# KiCad board glasgow_revD0.kicad_pcb (continued)
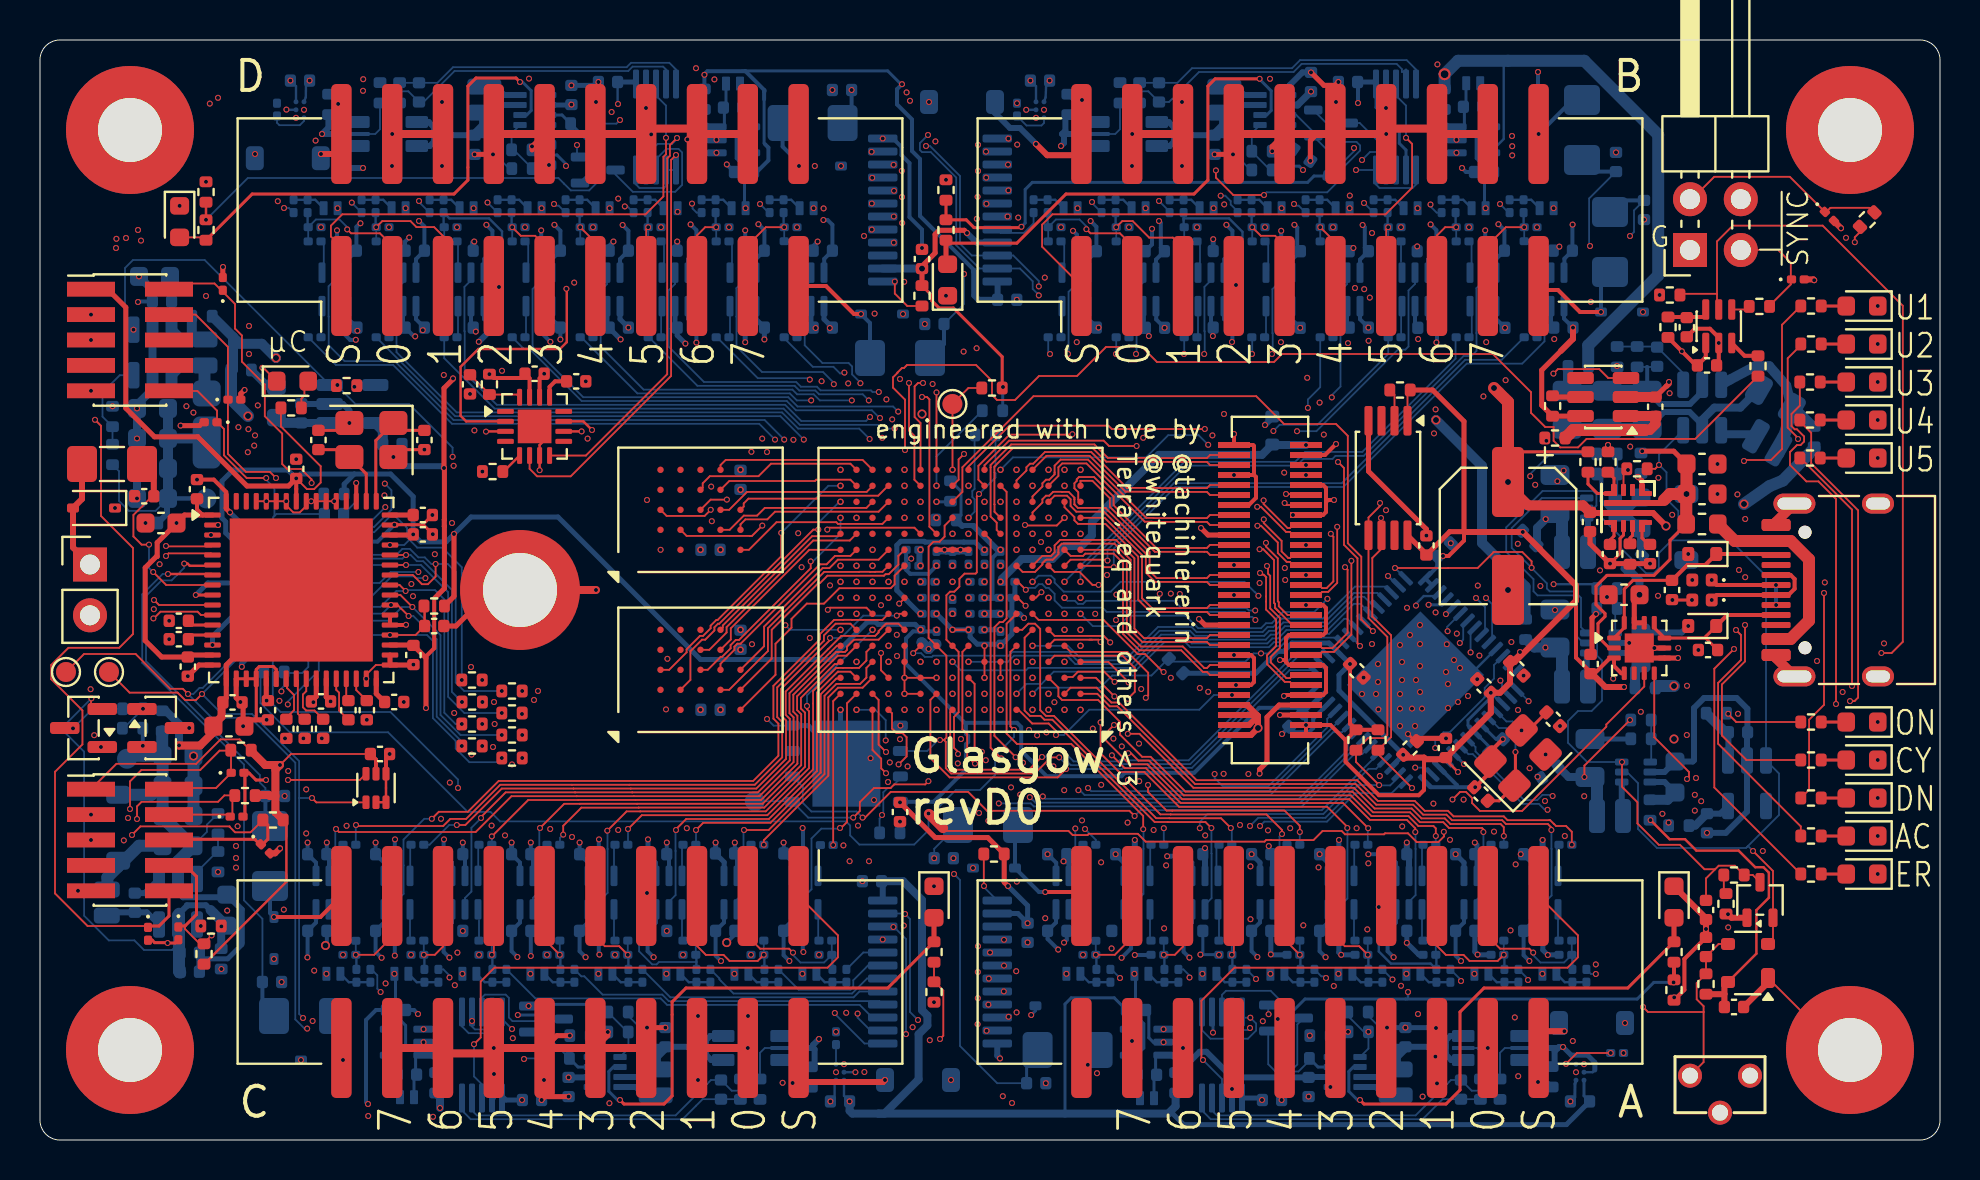
[diagram p0: board, top side]
## Library data of the parts (continued)
J2 J5 = -: Datasheet: http://infocenter.arm.com/help/topic/com.arm.doc.ddi0314h/DDI0314H_coresight_components_trm.pdf; Description: Cortex Debug Connector, standard ARM Cortex-M SWD and JTAG interface; KiLib_Generator: connector/pin_header_socket; LCSC: C2932107; MPN: FTSH-105-01-L-DV-K-P; ki_fp_filters: PinHeader?2x05?P1.27mm*
J3 = -: Description: Generic connector, single row, 01x02, script generated (kicad-library-utils/schlib/autogen/connector/); KiLib_Generator: connector/pin_header_socket; ki_fp_filters: Connector*:*_1x??_*
J4 = -: Description: Generic connector, double row, 02x02, odd/even pin numbering scheme (row 1 odd numbers, row 2 even numbers), script generated (kicad-library-utils/schlib/autogen/connector/); KiLib_Generator: connector/pin_header_socket; ki_fp_filters: Connector*:*_2x??_*
J6 = -: Datasheet: https://www.hirose.com/en/product/document?clcode=&productname=&series=DF12N&documenttype=Catalog&lang=en&documentid=ed_DF12N_20200819; Description: Generic connector, double row, 02x30, top/bottom pin numbering scheme (row 1: 1...pins_per_row, row2: pins_per_row+1 ... num_pins), script generated (kicad-library-utils/schlib/autogen/connector/); KiLib_Generator: connector/Hirose; LCSC: C3645041; MPN: DF12NC(5.0)-60DP-0.5V(51); ki_fp_filters: Connector*:*_2x??_*
J7-J10 = -: Description: Generic connector, double row, 02x10, odd/even pin numbering scheme (row 1 odd numbers, row 2 even numbers), script generated (kicad-library-utils/schlib/autogen/connector/); KiLib_Generator: connector/pin_header_socket; LCSC: C2829930; MPN: BH-00019; ki_fp_filters: Connector*:*_2x??_*
L1 L7-L10 = -: Datasheet: http://www.cjiang.com.cn/En_Pr_download_id_1134.html; Description: Inductor with ferrite core; KiLib_Generator: inductor/SMD; LCSC: C18724414; MPN: FTC201612S2R2MBCA; ki_fp_filters: Choke_* *Coil* Inductor_* L_*
L2-L4 = -: Description: Inductor with ferrite core; KiLib_Generator: inductor/SMD; LCSC: C18724413; MPN: FTC201612S1R0MBCA; ki_fp_filters: Choke_* *Coil* Inductor_* L_*
L5 L6 = -: Description: Inductor with ferrite core; KiLib_Generator: inductor/SMD; MPN: FTC201212S100MBCA; LCSC: C53436344; ki_fp_filters: Choke_* *Coil* Inductor_* L_*
NT1 = -: Description: Net tie, 2 pins; ki_fp_filters: Net*Tie*
NT2-NT17 = -: Datasheet: https://jlc-prod-smt.oss-eu-central-1.aliyuncs.com/smtDataManualFile/8589927047016308736-C851623.pdf?response-content-disposition=attachment%3B%20filename%3DC851623.pdf%3B%20filename%2A%3DUTF-8%27%27C851623.pdf&x-oss-date=20260524T222115Z&x-oss-expires=1800&x-oss-security-token=CAISgAN1q6Ft5B2yfSjIr5rzGuj8u7FwxZWmN2fpnloTa9xgm5TBkTz2IHhMdHJsAOodtv0%2FmmhT6PkclqRLcbhpcmfjV%2BZHzLB8qZxruQFM4J7b16cNrbH4M4H6aXeirtuwDsz9SNTCALjPD3nPii50x5bjaDymRCbLGJaViJlhHLN1Ow6jdmhpCctxLAlvo9NgFxm3D%2Fu2NQPwiWf9FVdhvhEG6Vly8qOi2MaRmFy8yFTx0b0SvJ%2BjYMrmPctoN9JnSdC5mfdzau3a1TJ84gRD0a5wkaVA1zbDs5bfISEIuUzebreLqY03dV4mOvdqIcMe8qigz88fk%2FfIioH6xyxKOexoSCnFTOiiupCcQLPyao9jLu6iayqViY7QaIOTqQohZmkAMwVOasAsI3Ngh4zF97Qt0cVNkXO9gWfLI8DtuMleWgrjRep9MnSgc5lCkRRYwGs1287ugXlSQzo890KPDAEovaKCnZ2ZSfh7Y4sNknI6i%2Bfc2Se2MIkIQ%2Ff0nKKWD5sagAEVLZ0dNN6q3YOOSB9X6kKYngn4Qecl14LG8RslXmyKAL47guIqkF4EWqJOQF54WLvQKmkK5PDichoxcAz4wyY%2B9BygnI7Y0QfZa40e%2Fp8aMKghMOKl00uJRzKspcYtrccmbdf9wpWfPEGtDzOmmsxEF5ZymPzPuf5w6dfl4hk2FiAA&x-oss-signature-version=OSS4-HMAC-SHA256&x-oss-credential=STS.NYFQRHVnQrWM5AXzZFgSLtQjs%2F20260524%2Feu-central-1%2Foss%2Faliyun_v4_request&x-oss-signature=e7e5476dff298cf10706224e96472dab3addfe113fb1c452d35c5a44f90f1097; Description: Net tie, 2 pins; KiLib_Generator: SMD_2terminal_chip_molded; LCSC: C851623; JLC: 0402; MPN: PE0402FRF470R05L; ki_fp_filters: Net*Tie*
Q1 = -: Description: P-MOSFET transistor, gate/source/drain; KiLib_Generator: package/gullwing; MPN: AO3401A; LCSC: C15127
Q2 = -: Description: N-MOSFET transistor, gate/source/drain; KiLib_Generator: package/gullwing; MPN: AO3400A; LCSC: C20917
R1 R4 = -: Description: Resistor, small symbol; KiLib_Generator: SMD_2terminal_chip_molded; MPN: 0402WGF2202TCE; LCSC: C25768; ki_fp_filters: R_*
R2 R3 = -: Description: Resistor, small symbol; KiLib_Generator: SMD_2terminal_chip_molded; MPN: RC0402FR-132K2L; LCSC: C25879; ki_fp_filters: R_*
R5 R28 = -: Description: Resistor, small symbol; KiLib_Generator: SMD_2terminal_chip_molded; MPN: 0402WGF1302TCE; LCSC: C25754; ki_fp_filters: R_*
R6 R40 R60 R92 R134 R176 R218 = -: Description: Resistor, small symbol; KiLib_Generator: SMD_2terminal_chip_molded; ki_fp_filters: R_*
R7 R8 R41 R43 R45 R47 = -: Description: Resistor, small symbol; KiLib_Generator: SMD_2terminal_chip_molded; Mfg: Yageo; MPN: RC0402FR-132K2L; LCSC: C25879; ki_fp_filters: R_*
R9 R39 R59 R62 R64 R67 R69 R70 R75-R77 = -: Description: Resistor, small symbol; KiLib_Generator: SMD_2terminal_chip_molded; LCSC: C25741; MPN: 0402WGF1003TCE; ki_fp_filters: R_*
R10-R12 R21 R22 R27 R29 R73 R74 R82 R83 R85 R127 R169 R211 = -: Description: Resistor, small symbol; KiLib_Generator: SMD_2terminal_chip_molded; LCSC: C25744; MPN: 0402WGF1002TCE; ki_fp_filters: R_*
R13-R20 = -: Description: Resistor, small symbol; KiLib_Generator: SMD_2terminal_chip_molded; LCSC: C25118; MPN: 0402WGF470JTCE; ki_fp_filters: R_*
R23 = -: Description: Resistor, small symbol; KiLib_Generator: SMD_2terminal_chip_molded; LCSC: C185429; MPN: RC0402FR-072K87L; ki_fp_filters: R_*
R24 = -: Description: Resistor, small symbol; KiLib_Generator: SMD_2terminal_chip_molded; LCSC: C25778; MPN: 0402WGF3303TCE; ki_fp_filters: R_*
R25 = -: Description: Resistor, small symbol; KiLib_Generator: SMD_2terminal_chip_molded; LCSC: C25534; MPN: 0402WGJ0124TCE; ki_fp_filters: R_*
R26 = -: Description: Resistor, small symbol; KiLib_Generator: SMD_2terminal_chip_molded; MPN: 0402WGF4702TCE; LCSC: C25792; ki_fp_filters: R_*
R30-R38 = -: Description: Resistor, small symbol; LCSC: C316473; MPN: CSR0204FTDV2491; ki_fp_filters: R_*
R42 R44 = -: Description: Resistor, small symbol; KiLib_Generator: SMD_2terminal_chip_molded; Mfg: Yageo; MPN: 0402WGF1302TCE; LCSC: C25754; ki_fp_filters: R_*
R46 R50 R58 = -: Description: Resistor, small symbol; KiLib_Generator: SMD_2terminal_chip_molded; Mfg: Yageo; MPN: 0402WGF470JTCE; LCSC: C25118; ki_fp_filters: R_*
R48 R72 R89 R91 R131 R133 R173 R175 R215 R217 = -: Description: Resistor, small symbol; KiLib_Generator: SMD_2terminal_chip_molded; LCSC: C25169; MPN: 0402WGJ047JTCE; ki_fp_filters: R_*
R49 R51-R53 R93 R135 R177 R219 = -: Description: Resistor, small symbol; KiLib_Generator: SMD_2terminal_chip_molded; LCSC: C25900; MPN: 0402WGF4701TCE; ki_fp_filters: R_*
R54 = -: Description: Resistor, small symbol; KiLib_Generator: SMD_2terminal_chip_molded; Mfg: Yageo; MPN: 0402WGF1002TCE; LCSC: C25744; ki_fp_filters: R_*
R55-R57 = -: Description: Resistor, small symbol; KiLib_Generator: SMD_2terminal_chip_molded; LCSC: C25779; MPN: 0402WGF3302TCE; ki_fp_filters: R_*
R61 = -: Description: Resistor, small symbol; KiLib_Generator: SMD_2terminal_chip_molded; LCSC: C27009; MPN: 0402WGF4533TCE; ki_fp_filters: R_*
R63 = -: Description: Resistor, small symbol; KiLib_Generator: SMD_2terminal_chip_molded; LCSC: C25764; MPN: 0402WGF2003TCE; ki_fp_filters: R_*
R65 = -: Description: Resistor, small symbol; KiLib_Generator: SMD_2terminal_chip_molded; LCSC: C5101; MPN: 0402WGF4423TCE; ki_fp_filters: R_*
R66 = -: Description: Resistor, small symbol; KiLib_Generator: SMD_2terminal_chip_molded; LCSC: C25895; MPN: 0402WGF4422TCE; ki_fp_filters: R_*
R68 = -: Description: Resistor, small symbol; KiLib_Generator: SMD_2terminal_chip_molded; MPN: 0402WGF1003TCE; LCSC: C25741; ki_fp_filters: R_*
R71 = -: Description: Resistor, small symbol; KiLib_Generator: SMD_2terminal_chip_molded; LCSC: C25750; MPN: 0402WGF1203TCE; ki_fp_filters: R_*
R78 = -: Description: Resistor, small symbol; KiLib_Generator: SMD_2terminal_chip_molded; LCSC: C2909352; MPN: FRC0402F3903TS; ki_fp_filters: R_*
R79 R84 R126 R168 R210 = -: Description: Resistor, small symbol; KiLib_Generator: SMD_2terminal_chip_molded; LCSC: C25768; MPN: 0402WGF2202TCE; ki_fp_filters: R_*
R80 = -: Description: Resistor, small symbol; KiLib_Generator: SMD_2terminal_chip_molded; LCSC: C5250845; MPN: CLT0402D360KQ105; ki_fp_filters: R_*
R81 = -: Description: Resistor, small symbol; KiLib_Generator: SMD_2terminal_chip_molded; LCSC: C25756; MPN: 0402WGF1502TCE; ki_fp_filters: R_*
R86 R128 R170 R212 = -: Description: Resistor, small symbol; KiLib_Generator: SMD_2terminal_chip_molded; LCSC: C25855; MPN: 0402WGF1432TCE; ki_fp_filters: R_*
R87 R129 R171 R213 = -: Description: Resistor, small symbol; KiLib_Generator: SMD_2terminal_chip_molded; LCSC: C36871; MPN: 0402WGF6802TCE; ki_fp_filters: R_*
R88 R130 R172 R214 = -: Description: Resistor, small symbol; KiLib_Generator: SMD_2terminal_chip_molded; LCSC: C25769; MPN: 0402WGF2402TCE; ki_fp_filters: R_*
R90 R132 R174 R216 = -: Description: Shunt resistor with Kelvin connections; LCSC: C912768; MPN: RLM12FTCMR050; ki_fp_filters: R_*Shunt*
R94-R109 R136-R151 R178-R193 R220-R235 = -: Description: Resistor, small symbol; KiLib_Generator: SMD_2terminal_chip_molded; MPN: 0201WMF1000TEE; LCSC: C270366; ki_fp_filters: R_*
R110-R125 R152-R167 R194-R209 R236-R251 = -: Description: Resistor, small symbol; KiLib_Generator: SMD_2terminal_chip_molded; LCSC: C270346; MPN: 0201WMF4701TEE; ki_fp_filters: R_*
SW1 = -: Description: Generic push-button switch, two contact pins and shield pin(s); Mfg: XKB; MPN: TC-1109DE-B-F; LCSC: C400325
TP1-TP6 = -: Description: test point; ki_fp_filters: Pin* Test*
U1 = -: Datasheet: https://www.onsemi.cn/PowerSolutions/document/CAT24C256-D.PDF; Description: 256 kb CMOS Serial EEPROM, DIP-8/SOIC-8/TSSOP-8/DFN-8; KiLib_Generator: package/gullwing; Mfg: BL(Shanghai Belling); LCSC: C110276; ki_fp_filters: DIP*W7.62mm* SOIC*3.9x4.9mm* TSSOP*4.4x3mm*P0.65mm* DFN*3x2mm*P0.5mm*
U2 = -: Datasheet: http://www.cypress.com/file/138911/download; Description: CYPRESS FX2LP USB Microcontroller, 48MHz 8051, 16KB RAM, USB 2.0, I2C, QFN-56; KiLib_Generator: package/no_lead; LCSC: C476253; MPN: CBM9002A-56ILG; ki_fp_filters: QFN*1EP*8x8mm*P0.5mm*
U3 = -: Datasheet: https://www.ti.com/lit/ds/symlink/tmp112.pdf; Description: Digital Temperature Sensor with I2C/SMBus/Two-wire Interface, 12 bits, ±1°C, one-shot conversion, alert, nist traceable, SOT-563; KiLib_Generator: package/gullwing; LCSC: C28927; MPN: TMP112AIDRLR; ki_fp_filters: SOT?563*
U4 = -: Datasheet: http://www.onsemi.com/pub/Collateral/FUSB302B-D.PDF; Description: Programmable USB Type-C Controller w/PD, I2C address 0x23, WQFN-14; KiLib_Generator: package/no_lead; LCSC: C488155; ki_fp_filters: WQFN*1EP*2.5x2.5mm*P0.5mm*
U5 = -: Datasheet: https://www.ti.com/lit/ds/symlink/tps25947.pdf; Description: 2.7-V–23-V, 5.5-A, 28-mΩ True Reverse Current Blocking eFuse with Input Reverse Polarity Protection; LCSC: C3662789
U6 = -: Datasheet: https://www.st.com/resource/en/datasheet/stm32g031g6.pdf; Description: STMicroelectronics Arm Cortex-M0+ MCU, 32KB flash, 8KB RAM, 64 MHz, 1.7-3.6V, 26 GPIO, UFQFPN28; KiLib_Generator: package/no_lead; LCSC: C724053; MPN: STM32G031G6U6TR; ki_fp_filters: QFN*4x4mm*P0.5mm*
U7 = -: Datasheet: https://www.nxp.com/docs/en/data-sheet/NAFE11388.pdf; Description: Highly Configurable 8/4 Channel 24/16 bits ±25 V Universal Input Analog Front-End; KiLib_Generator: package/no_lead; MPN: NAFE71388B40BS
U8 = -: Datasheet: https://www.latticesemi.com/view_document?document_id=50461; Description: ECP5 FPGA, 84K LUTs, 1.2V, BGA-381; LCSC: C1521614; MPN: LFE5U-25F-6BG256C; ki_fp_filters: ?BGA*14x14mm*Layout16x16*P0.8mm*
U9 = -: Datasheet: http://www.winbond.com/resource-files/w25q32jv%20revg%2003272018%20plus.pdf; Description: 32Mbit / 4MiB Serial Flash Memory, Standard/Dual/Quad SPI, 2.7-3.6V, WSON-8; KiLib_Generator: package/no_lead; LCSC: C571260; MPN: W25Q32JVZPIQ; ki_fp_filters: WSON*1EP*6x5mm*P1.27mm*
U10 U26 U27 U29-U32 U35 U36 U38 U39 U41-U44 U47 U48 U50 U51 U53-U56 U59 U60 U62 U63 U65-U68 U71 U72 = -: Datasheet: https://assets.nexperia.com/documents/data-sheet/74AXP1T45.pdf; Description: Single-Bit Dual-Supply Bus Transceiver With Configurable Voltage Translation and 3-State Outputs, SOT-23-6; KiLib_Generator: package/gullwing; LCSC: C5280957; MPN: 74AXP1T45GWH; ki_fp_filters: SOT?23*
U11 U12 = -: Datasheet: https://www.apmemory.com/en/downloadFiles/03241122212h612740; Description: Xccela high-performance 8-bit-wide serial self refresh DRAM; KiLib_Generator: package/grid_array; MPN: APS51208N-OBR-BD
U13 = -: Datasheet: http://www.ti.com/lit/ds/symlink/tlv62569.pdf; Description: High Efficiency Synchronous Buck Converter, Adjustable Output 0.6V-5.5V, 2A, SOT-563-6; KiLib_Generator: package/gullwing; LCSC: C398364; MPN: TLV62569PDRLR; ki_fp_filters: SOT*563*
U14 U18 = -: Datasheet: http://www.ti.com/lit/ds/symlink/tlv62569.pdf; Description: High Efficiency Synchronous Buck Converter, Adjustable Output 0.6V-5.5V, 2A, SOT-563-6; KiLib_Generator: package/gullwing; LCSC: C398364; ki_fp_filters: SOT*563*
U15 = -: Datasheet: https://www.ti.com/lit/ds/symlink/tlv61070a.pdf; Description: Boost Converter, 2.5A switch current limit, 2.2-5.5V Output Voltage, 0.5-5.5V Input Voltage, SOT-23-6; KiLib_Generator: package/gullwing; LCSC: C6881375; MPN: TLV61070ADBVR; ki_fp_filters: SOT?23*
U16 = -: Datasheet: https://www.diodes.com/datasheet/download/APX811.pdf; Description: Power supply supervisor, Manual reset, Threshold 4.00V, SOT-143; Mfg: Diodes Incorporated; LCSC: C155533; ki_fp_filters: SOT*143*
U17 = -: Datasheet: https://www.lcsc.com/datasheet/C23380893.pdf; Description: 500mA Low IQ Small Size Low Dropout Voltage Regulator, Fixed Output 1.2V, SOT-23-5; KiLib_Generator: package/gullwing; MPN: SPX3819M5-L-2-5; LCSC: C23380893; ki_fp_filters: SOT?23*
U19 = -: Datasheet: www.ti.com/lit/ds/symlink/tps7a20.pdf; Description: Low power 300mA LDO 3.3V fixed output voltage, SOT-23-5; KiLib_Generator: package/gullwing; LCSC: C2862740; MPN: TPS7A2033PDBVR; ki_fp_filters: SOT?23*
U20 = -: Datasheet: http://www.ti.com/lit/ds/symlink/tps22917.pdf; Description: 1V to 5.5V, 2A, 80mΩ Ultra-Low Leakage Load Switch, SOT23-6; KiLib_Generator: package/gullwing; LCSC: C2681320; MPN: TPS22917DBVR; ki_fp_filters: SOT?23*
U21 = -: Datasheet: https://www.ti.com/lit/ds/symlink/dac43204.pdf; Description: 8-Bit, Quad-Channel Voltage and Current Output Smart DAC With Auto-Detected I2C, PMBus, or SPI Interface; KiLib_Generator: package/no_lead; LCSC: C5215475; MPN: DAC43204RTER
U22 = -: Datasheet: https://www.lcsc.com/datasheet/C2927130.pdf; Description: High Efficiency Fast Response, 1A, 27V Input Synchronous Step Down Regulator; KiLib_Generator: package/gullwing; MPN: SY8301ABC; LCSC: C2927130
U23 = -: Datasheet: https://www.lcsc.com/datasheet/C178234.pdf; Description: High Efficiency 1MHz 600mA Async Step-Up Converter, 3-25V Vin, 25V Vout, SOT23-6; KiLib_Generator: package/gullwing; LCSC: C178234; JLC: SOT-23-6; ki_fp_filters: SOT*23*
U24 U25 = -: Datasheet: https://www.nxp.com/docs/en/data-sheet/PCAL6416A.pdf; Description: IO expander 16 GPIO, I2C 400kHz, Interrupt, 1.65 - 5.5V, TSSOP-24; KiLib_Generator: package/gullwing; LCSC: C2669733; MPN: PCA6416APW,118; ki_fp_filters: TSSOP*4.4x7.8mm*P0.65mm*
U28 U40 U52 U64 = -: Datasheet: https://www.ti.com/lit/ds/symlink/tps629203.pdf; Description: 3-17V, 300mA Synchronous Buck Converters with DCS-Control, SOT583-8; LCSC: C5219295; MPN: TPS629203DRLR; ki_fp_filters: SOT?583*
U33 U45 U57 U69 = -: Datasheet: https://www.onsemi.com/download/data-sheet/pdf/ncp456-d.pdf; Description: 2A, 0.75V-5.5V Single Load Switch with Vbias and reverse current blocking; LCSC: C603742
U34 U46 U58 U70 = -: Datasheet: https://www.ti.com/lit/ds/symlink/ina233.pdf; Description: High-Side or Low-Side Measurement, Bi-Directional Current and Power Monitor (0-36V) with I2C, SMBus-, and PMBus-Compatible Interface, TSSOP-10 (Texas DGS0010A / VSSOP); KiLib_Generator: package/gullwing; LCSC: C486316; MPN: INA233AIDGSR; ki_fp_filters: *TSSOP*3x3mm?P0.5mm*
U37 U49 U61 U73 = -: Datasheet: http://www.ti.com/lit/ds/symlink/tlv6001.pdf; Description: Low-power, Rail-to-rail, 1MHz Operational Amplifier, SOT-353; KiLib_Generator: package/gullwing; LCSC: C2057455; MPN: TLV6001IDCKR; ki_fp_filters: SOT*353*SC*70*
Y1 = -: Description: Four pin crystal, GND on pins 2 and 4; KiLib_Generator: crystal_resonator_oscillator; MPN: TSX-3225 24.0000MF20G-AC3; LCSC: C2650460; ki_fp_filters: Crystal*
Y2 = -: Description: Four pin crystal, GND on pins 2 and 4; KiLib_Generator: crystal_resonator_oscillator; MPN: TZ1572A; LCSC: C501796; ki_fp_filters: Crystal*

## Footprints (pads in the part's own frame, mm; a bottom-side part is the same pattern mirrored in y, then rotated)
BGA-24_6x8mm_Layout5x5_P1.0mm
  round 0.32 smd: A2(-1,2) A3(0,2) A4(1,2) A5(2,2) B1(-2,1) B2(-1,1) B3(0,1) B4(1,1) B5(2,1) C1(-2,0) C2(-1,0) C3(0,0) C4(1,0) C5(2,0) D1(-2,-1) D2(-1,-1) D3(0,-1) D4(1,-1) D5(2,-1) E1(-2,-2) E2(-1,-2) E3(0,-2) E4(1,-2) E5(2,-2)
BGA-256_14.0x14.0mm_Layout16x16_P0.8mm_Ball0.45mm_Pad0.32mm_NSMD
  round 0.32 smd: A1(-6,6) A2(-5.2,6) A3(-4.4,6) A4(-3.6,6) A5(-2.8,6) A6(-2,6) A7(-1.2,6) A8(-0.4,6) A9(0.4,6) A10(1.2,6) A11(2,6) A12(2.8,6) A13(3.6,6) A14(4.4,6) A15(5.2,6) A16(6,6) B1(-6,5.2) B2(-5.2,5.2) B3(-4.4,5.2) B4(-3.6,5.2) B5(-2.8,5.2) B6(-2,5.2) B7(-1.2,5.2) B8(-0.4,5.2) B9(0.4,5.2) B10(1.2,5.2) B11(2,5.2) B12(2.8,5.2) B13(3.6,5.2) B14(4.4,5.2) B15(5.2,5.2) B16(6,5.2) C1(-6,4.4) C2(-5.2,4.4) C3(-4.4,4.4) C4(-3.6,4.4) C5(-2.8,4.4) C6(-2,4.4) C7(-1.2,4.4) C8(-0.4,4.4) C9(0.4,4.4) C10(1.2,4.4) C11(2,4.4) C12(2.8,4.4) C13(3.6,4.4) C14(4.4,4.4) C15(5.2,4.4) C16(6,4.4) D1(-6,3.6) D2(-5.2,3.6) D3(-4.4,3.6) D4(-3.6,3.6) D5(-2.8,3.6) D6(-2,3.6) D7(-1.2,3.6) D8(-0.4,3.6) D9(0.4,3.6) D10(1.2,3.6) D11(2,3.6) D12(2.8,3.6) D13(3.6,3.6) D14(4.4,3.6) D15(5.2,3.6) D16(6,3.6) E1(-6,2.8) E2(-5.2,2.8) E3(-4.4,2.8) E4(-3.6,2.8) E5(-2.8,2.8) E6(-2,2.8) E7(-1.2,2.8) E8(-0.4,2.8) E9(0.4,2.8) E10(1.2,2.8) E11(2,2.8) E12(2.8,2.8) E13(3.6,2.8) E14(4.4,2.8) E15(5.2,2.8) E16(6,2.8) F1(-6,2) F2(-5.2,2) F3(-4.4,2) F4(-3.6,2) F5(-2.8,2) F6(-2,2) F7(-1.2,2) F8(-0.4,2) F9(0.4,2) F10(1.2,2) F11(2,2) F12(2.8,2) F13(3.6,2) F14(4.4,2) F15(5.2,2) F16(6,2) G1(-6,1.2) G2(-5.2,1.2) G3(-4.4,1.2) G4(-3.6,1.2) G5(-2.8,1.2) G6(-2,1.2) G7(-1.2,1.2) G8(-0.4,1.2) G9(0.4,1.2) G10(1.2,1.2) G11(2,1.2) G12(2.8,1.2) G13(3.6,1.2) G14(4.4,1.2) G15(5.2,1.2) G16(6,1.2) H1(-6,0.4) H2(-5.2,0.4) H3(-4.4,0.4) H4(-3.6,0.4) H5(-2.8,0.4) H6(-2,0.4) H7(-1.2,0.4) H8(-0.4,0.4) H9(0.4,0.4) H10(1.2,0.4) H11(2,0.4) H12(2.8,0.4) H13(3.6,0.4) H14(4.4,0.4) H15(5.2,0.4) H16(6,0.4) J1(-6,-0.4) J2(-5.2,-0.4) J3(-4.4,-0.4) J4(-3.6,-0.4) J5(-2.8,-0.4) J6(-2,-0.4) J7(-1.2,-0.4) J8(-0.4,-0.4) J9(0.4,-0.4) J10(1.2,-0.4) J11(2,-0.4) J12(2.8,-0.4) J13(3.6,-0.4) J14(4.4,-0.4) J15(5.2,-0.4) J16(6,-0.4) K1(-6,-1.2) K2(-5.2,-1.2) K3(-4.4,-1.2) K4(-3.6,-1.2) K5(-2.8,-1.2) K6(-2,-1.2) K7(-1.2,-1.2) K8(-0.4,-1.2) K9(0.4,-1.2) K10(1.2,-1.2) K11(2,-1.2) K12(2.8,-1.2) K13(3.6,-1.2) K14(4.4,-1.2) K15(5.2,-1.2) K16(6,-1.2) L1(-6,-2) L2(-5.2,-2) L3(-4.4,-2) L4(-3.6,-2) L5(-2.8,-2) L6(-2,-2) L7(-1.2,-2) L8(-0.4,-2) L9(0.4,-2) L10(1.2,-2) L11(2,-2) L12(2.8,-2) L13(3.6,-2) L14(4.4,-2) L15(5.2,-2) L16(6,-2) M1(-6,-2.8) M2(-5.2,-2.8) M3(-4.4,-2.8) M4(-3.6,-2.8) M5(-2.8,-2.8) M6(-2,-2.8) M7(-1.2,-2.8) M8(-0.4,-2.8) M9(0.4,-2.8) M10(1.2,-2.8) M11(2,-2.8) M12(2.8,-2.8) M13(3.6,-2.8) M14(4.4,-2.8) M15(5.2,-2.8) M16(6,-2.8) N1(-6,-3.6) N2(-5.2,-3.6) N3(-4.4,-3.6) N4(-3.6,-3.6) N5(-2.8,-3.6) N6(-2,-3.6) N7(-1.2,-3.6) N8(-0.4,-3.6) N9(0.4,-3.6) N10(1.2,-3.6) N11(2,-3.6) N12(2.8,-3.6) N13(3.6,-3.6) N14(4.4,-3.6) N15(5.2,-3.6) N16(6,-3.6) P1(-6,-4.4) P2(-5.2,-4.4) P3(-4.4,-4.4) P4(-3.6,-4.4) P5(-2.8,-4.4) P6(-2,-4.4) P7(-1.2,-4.4) P8(-0.4,-4.4) P9(0.4,-4.4) P10(1.2,-4.4) P11(2,-4.4) P12(2.8,-4.4) P13(3.6,-4.4) P14(4.4,-4.4) P15(5.2,-4.4) P16(6,-4.4) R1(-6,-5.2) R2(-5.2,-5.2) R3(-4.4,-5.2) R4(-3.6,-5.2) R5(-2.8,-5.2) R6(-2,-5.2) R7(-1.2,-5.2) R8(-0.4,-5.2) R9(0.4,-5.2) R10(1.2,-5.2) R11(2,-5.2) R12(2.8,-5.2) R13(3.6,-5.2) R14(4.4,-5.2) R15(5.2,-5.2) R16(6,-5.2) T1(-6,-6) T2(-5.2,-6) T3(-4.4,-6) T4(-3.6,-6) T5(-2.8,-6) T6(-2,-6) T7(-1.2,-6) T8(-0.4,-6) T9(0.4,-6) T10(1.2,-6) T11(2,-6) T12(2.8,-6) T13(3.6,-6) T14(4.4,-6) T15(5.2,-6) T16(6,-6)
C_0201_0603Metric
  rrect 0.318x0.36 smd: (-0.345,0) (0.345,0)
  rrect 0.46x0.4 smd: 1(-0.32,0) 2(0.32,0)
C_0402_1005Metric
  rrect 0.56x0.62 smd: 1(-0.48,0) 2(0.48,0)
C_0603_1608Metric
  rrect 0.9x0.95 smd: 1(-0.775,0) 2(0.775,0)
C_0805_2012Metric
  rrect 1x1.45 smd: 1(-0.95,0) 2(0.95,0)
CP_Elec_6.3x4.5
  rrect 3.5x1.6 smd: 1(-2.7,0) 2(2.7,0)
Crystal_SMD_3225-4Pin_3.2x2.5mm
  rrect 1.4x1.2 smd: 1(-1.1,-0.85) 2(1.1,-0.85) 3(1.1,0.85) 4(-1.1,0.85)
D_0201_0603Metric
  rrect 0.318x0.36 smd: (-0.345,0) (0.345,0)
  rrect 0.46x0.4 smd: 1(-0.32,0) 2(0.32,0)
D_0402_1005Metric
  rrect 0.59x0.64 smd: 1(-0.485,0) 2(0.485,0)
D_SOD-123
  rrect 0.9x1.2 smd: 1(-1.65,0) 2(1.65,0)
D_SOD-123HE
  rrect 2.6x1.4 smd: 1(-0.8,0)
  rrect 1.3x1.4 smd: 2(1.65,0)
D_SOD-323
  rrect 0.6x0.45 smd: 1(-1.05,0) 2(1.05,0)
D_SOD-523
  rrect 0.6x0.7 smd: 1(-0.7,0) 2(0.7,0)
D_SOD-882
  rrect 0.3x0.6 smd: (-0.35,0) (0.35,0)
  rrect 0.4x0.7 smd: 1(-0.35,0) 2(0.35,0)
Hirose_DF12_DF12C3.0-60DS-0.5V_2x30_P0.50mm_Vertical
  rect 0.28x1.2 smd: (-7.25,2) (-7.25,-2) (-6.75,2) (-6.75,-2) (-6.25,2) (-6.25,-2) (-5.75,2) (-5.75,-2) (-5.25,2) (-5.25,-2) (-4.75,2) (-4.75,-2) (-4.25,2) (-4.25,-2) (-3.75,2) (-3.75,-2) (-3.25,2) (-3.25,-2) (-2.75,2) (-2.75,-2) (-2.25,2) (-2.25,-2) (-1.75,2) (-1.75,-2) (-1.25,2) (-1.25,-2) (-0.75,2) (-0.75,-2) (-0.25,2) (-0.25,-2) (0.25,2) (0.25,-2) (0.75,2) (0.75,-2) (1.25,2) (1.25,-2) (1.75,2) (1.75,-2) (2.25,2) (2.25,-2) (2.75,2) (2.75,-2) (3.25,2) (3.25,-2) (3.75,2) (3.75,-2) (4.25,2) (4.25,-2) (4.75,2) (4.75,-2) (5.25,2) (5.25,-2) (5.75,2) (5.75,-2) (6.25,2) (6.25,-2) (6.75,2) (6.75,-2) (7.25,2) (7.25,-2)
  rect 0.3x1.6 smd: 1(-7.25,1.8) 2(-6.75,1.8) 3(-6.25,1.8) 4(-5.75,1.8) 5(-5.25,1.8) 6(-4.75,1.8) 7(-4.25,1.8) 8(-3.75,1.8) 9(-3.25,1.8) 10(-2.75,1.8) 11(-2.25,1.8) 12(-1.75,1.8) 13(-1.25,1.8) 14(-0.75,1.8) 15(-0.25,1.8) 16(0.25,1.8) 17(0.75,1.8) 18(1.25,1.8) 19(1.75,1.8) 20(2.25,1.8) 21(2.75,1.8) 22(3.25,1.8) 23(3.75,1.8) 24(4.25,1.8) 25(4.75,1.8) 26(5.25,1.8) 27(5.75,1.8) 28(6.25,1.8) 29(6.75,1.8) 30(7.25,1.8) 31(-7.25,-1.8) 32(-6.75,-1.8) 33(-6.25,-1.8) 34(-5.75,-1.8) 35(-5.25,-1.8) 36(-4.75,-1.8) 37(-4.25,-1.8) 38(-3.75,-1.8) 39(-3.25,-1.8) 40(-2.75,-1.8) 41(-2.25,-1.8) 42(-1.75,-1.8) 43(-1.25,-1.8) 44(-0.75,-1.8) 45(-0.25,-1.8) 46(0.25,-1.8) 47(0.75,-1.8) 48(1.25,-1.8) 49(1.75,-1.8) 50(2.25,-1.8) 51(2.75,-1.8) 52(3.25,-1.8) 53(3.75,-1.8) 54(4.25,-1.8) 55(4.75,-1.8) 56(5.25,-1.8) 57(5.75,-1.8) 58(6.25,-1.8) 59(6.75,-1.8) 60(7.25,-1.8)
IDC-Header_2x10_P2.54mm_Vertical_SMD
  rrect 5x1.02 smd: 1(-3.8,11.43) 2(3.8,11.43) 3(-3.8,8.89) 4(3.8,8.89) 5(-3.8,6.35) 6(3.8,6.35) 7(-3.8,3.81) 8(3.8,3.81) 9(-3.8,1.27) 10(3.8,1.27) 11(-3.8,-1.27) 12(3.8,-1.27) 13(-3.8,-3.81) 14(3.8,-3.81) 15(-3.8,-6.35) 16(3.8,-6.35) 17(-3.8,-8.89) 18(3.8,-8.89) 19(-3.8,-11.43) 20(3.8,-11.43)
L_0603_1608Metric
  rrect 0.875x0.95 smd: 1(-0.787,0) 2(0.787,0)
L_Changjiang_FTC201212S
  rrect 0.8x1.3 smd: 1(-0.65,0) 2(0.65,0)
L_Changjiang_FTC201612S
  rrect 0.8x1.7 smd: 1(-0.65,0) 2(0.65,0)
LED_0603_1608Metric
  rrect 0.875x0.95 smd: 1(-0.787,0) 2(0.787,0)
Mounting_Wuerth_WA-SMSI-M2.5_H5mm_9774050151
  custom 2.563x2.563 smd: (-1.704,1.704) (-1.704,-1.704) (1.704,1.704) (1.704,-1.704)
  round 3.7 hole 3.7 unplated: (0,0)
  round 0.642 smd: 1(-2.425,0) 1(0,2.425) 1(0,-2.425)
  custom 6x6 smd: 1(2.425,0)
MountingHole_3.2mm_M3_Pad
  round 6.4 hole 3.2: 1(0,0)
NetTie-2_SMD_Pad0.5mm
  round 0.5 smd: 1(-0.5,0) 2(0.5,0)
PinHeader_1x02_P2.54mm_Vertical
  rect 1.7x1.7 hole 1: 1(0,0)
  round 1.7 hole 1: 2(0,-2.54)
PinHeader_2x02_P2.54mm_Horizontal
  rect 1.7x1.7 hole 1: 1(0,0)
  round 1.7 hole 1: 2(2.54,0) 3(0,-2.54) 4(2.54,-2.54)
PinHeader_2x05_P1.27mm_Vertical_SMD
  rect 2.4x0.74 smd: 1(-1.95,2.54) 2(1.95,2.54) 3(-1.95,1.27) 4(1.95,1.27) 5(-1.95,0) 6(1.95,0) 7(-1.95,-1.27) 8(1.95,-1.27) 9(-1.95,-2.54) 10(1.95,-2.54)
QFN-28_4x4mm_P0.5mm
  custom 0.755x0.25 smd: 1(-1.998,1.5) 7(-1.998,-1.5) 15(1.998,-1.5) 21(1.998,1.5)
  rrect 0.875x0.25 smd: 2(-1.938,1) 3(-1.938,0.5) 4(-1.937,0) 5(-1.938,-0.5) 6(-1.938,-1) 16(1.938,-1) 17(1.938,-0.5) 18(1.937,0) 19(1.938,0.5) 20(1.938,1)
  custom 0.25x0.755 smd: 8(-1.5,-1.998) 14(1.5,-1.998) 22(1.5,1.998) 28(-1.5,1.998)
  rrect 0.25x0.875 smd: 9(-1,-1.938) 10(-0.5,-1.938) 11(0,-1.937) 12(0.5,-1.938) 13(1,-1.938) 23(1,1.938) 24(0.5,1.938) 25(0,1.937) 26(-0.5,1.938) 27(-1,1.938)
QFN-56-1EP_8x8mm_P0.5mm_EP4.5x5.2mm
  rrect 0.91x1.05 smd: (-1.68,-1.95) (-1.68,-0.65) (-1.68,0.65) (-1.68,1.95) (-0.56,-1.95) (-0.56,-0.65) (-0.56,0.65) (-0.56,1.95) (0.56,-1.95) (0.56,-0.65) (0.56,0.65) (0.56,1.95) (1.68,-1.95) (1.68,-0.65) (1.68,0.65) (1.68,1.95)
  rrect 0.875x0.25 smd: 1(-3.938,3.25) 2(-3.938,2.75) 3(-3.938,2.25) 4(-3.938,1.75) 5(-3.937,1.25) 6(-3.938,0.75) 7(-3.938,0.25) 8(-3.938,-0.25) 9(-3.938,-0.75) 10(-3.937,-1.25) 11(-3.938,-1.75) 12(-3.938,-2.25) 13(-3.938,-2.75) 14(-3.938,-3.25) 29(3.938,-3.25) 30(3.938,-2.75) 31(3.938,-2.25) 32(3.938,-1.75) 33(3.937,-1.25) 34(3.938,-0.75) 35(3.938,-0.25) 36(3.938,0.25) 37(3.938,0.75) 38(3.937,1.25) 39(3.938,1.75) 40(3.938,2.25) 41(3.938,2.75) 42(3.938,3.25)